# KiCad board ciaa_acc.kicad_pcb (continued)
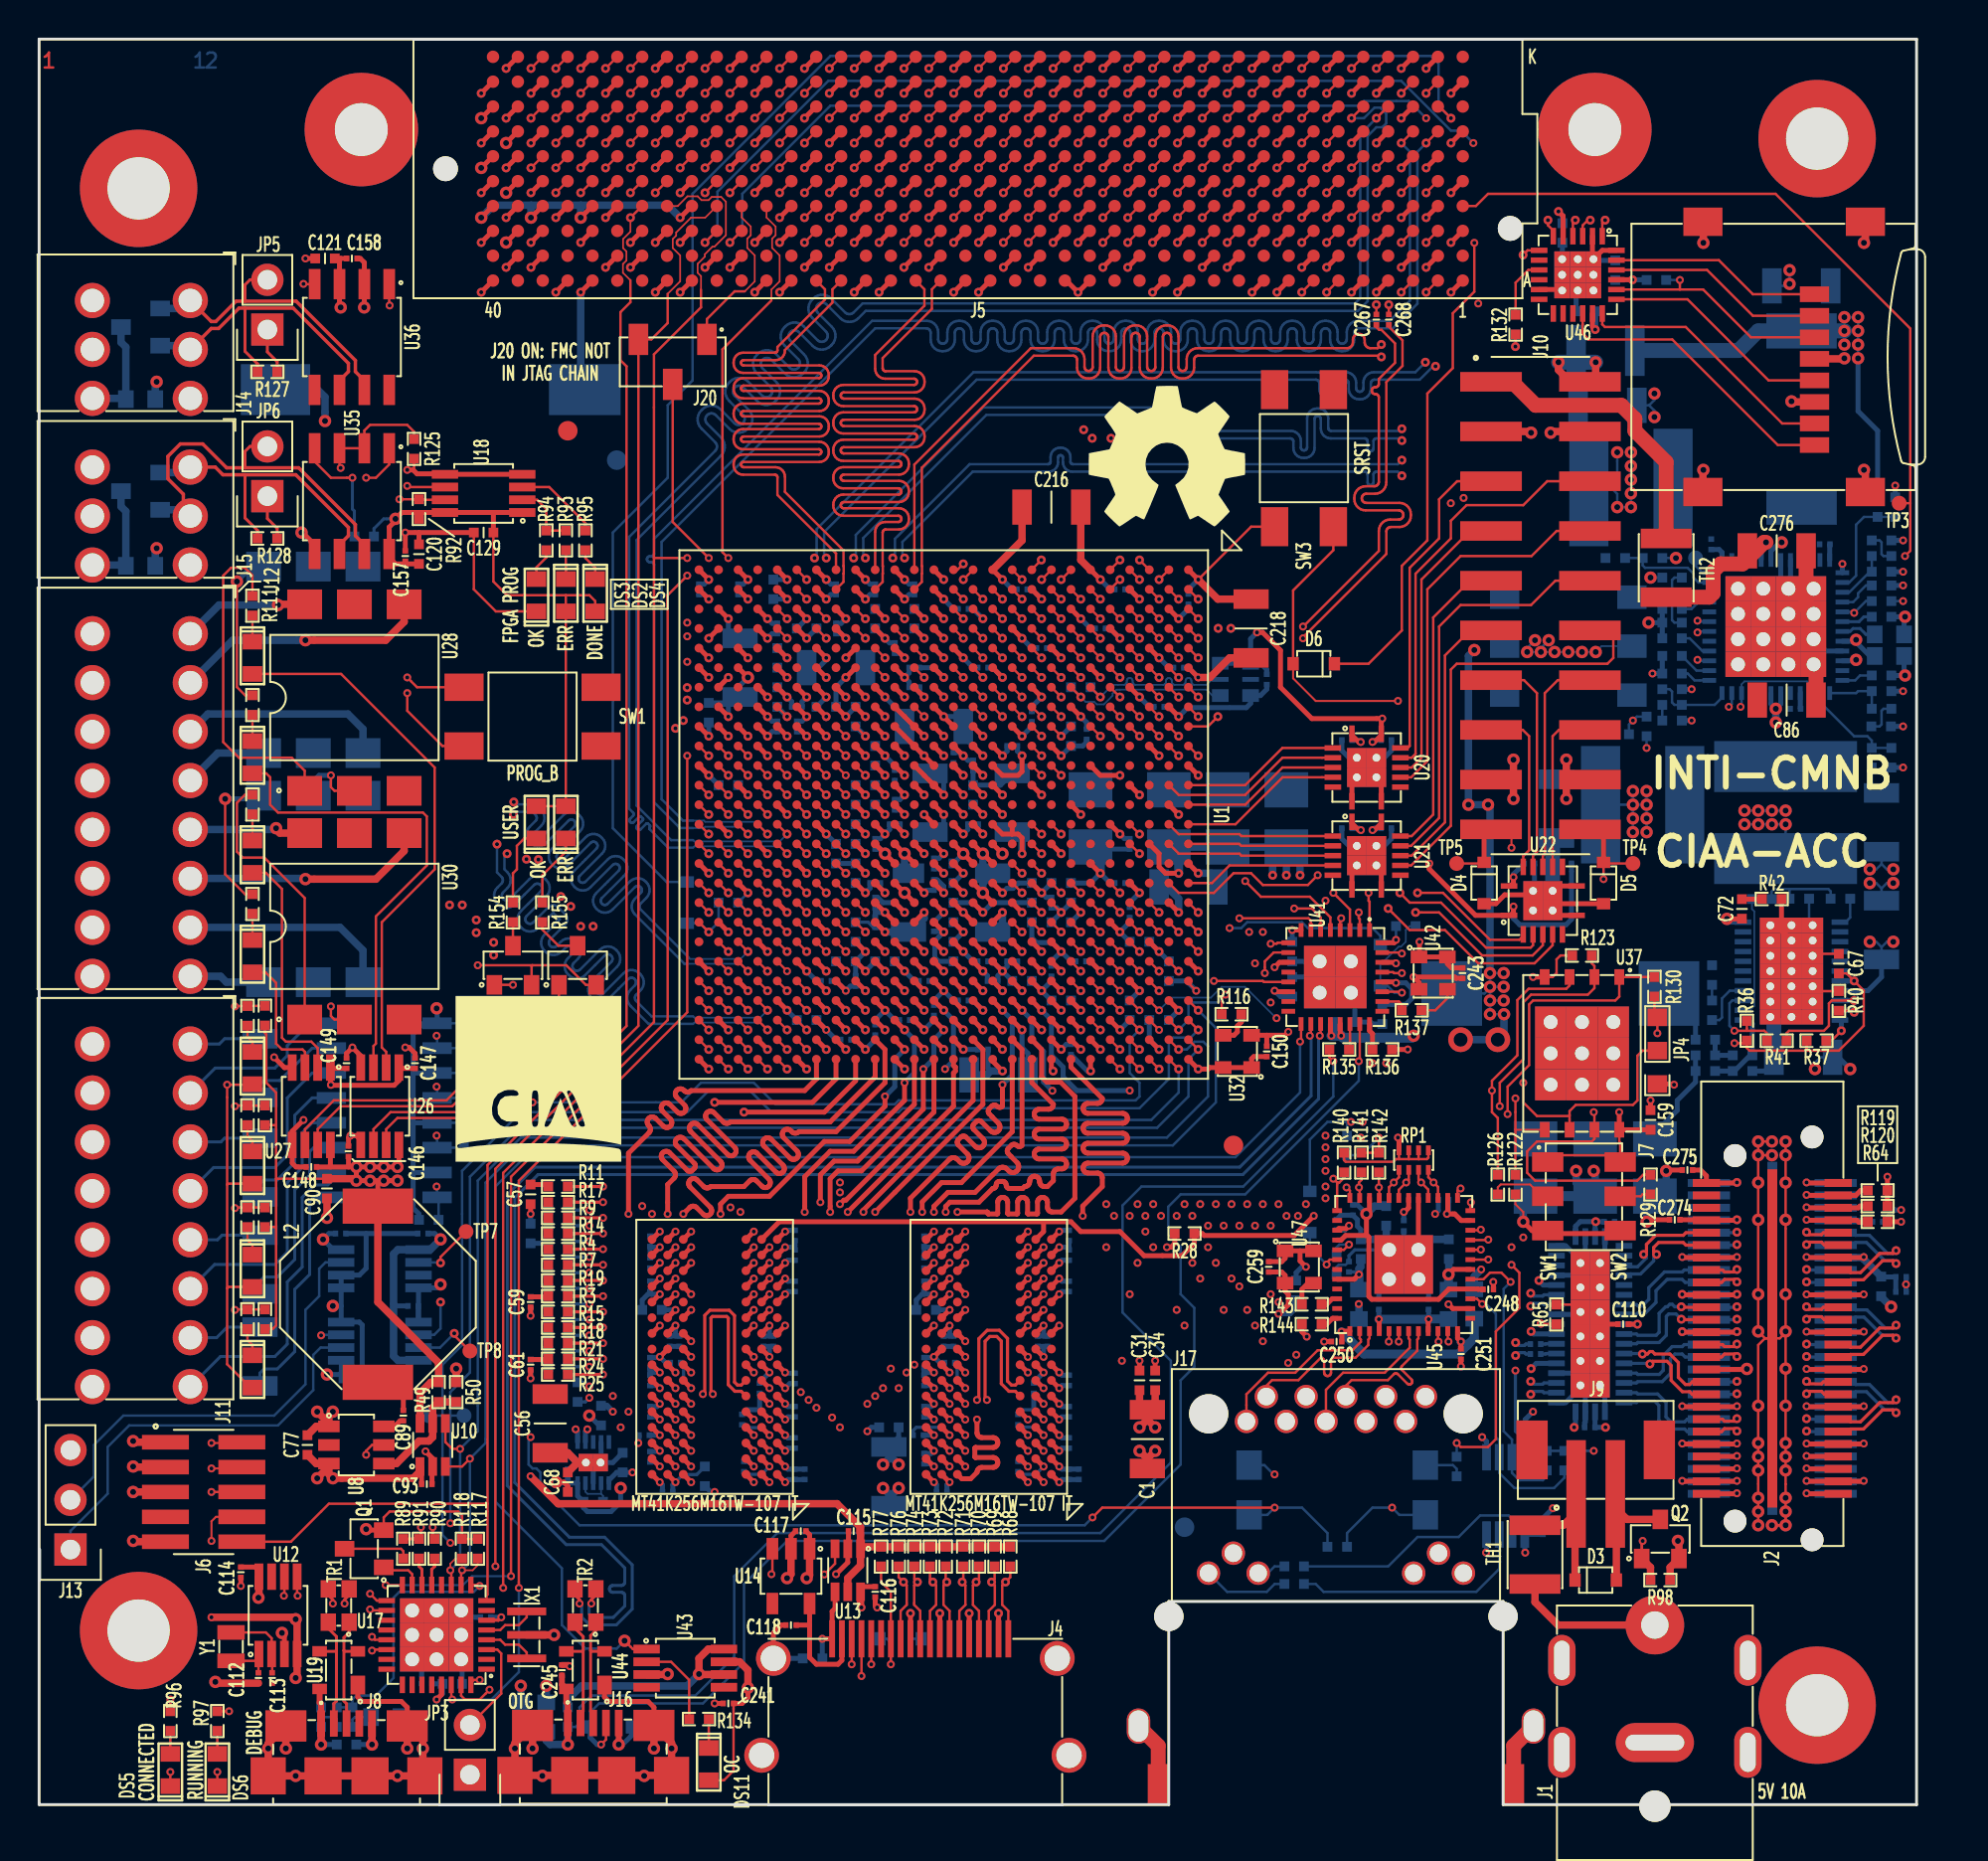
[diagram p0: board, top side]
## Routing (per net, layer and track width the routed paths; a pad name or vN(x,y) marks a point on that pad's centre or on a via; arc(x,y) is an arc through that point) (continued)
+1.5V: length 121
  TOP_L1.Sig w0.254: U3.D2 v1(37.3,18.87) ; U3.C1 v1(38.1,18.07) ; U3.H2 v1(37.3,22.07) ; U3.F1 v1(38.1,20.47) ; U3.B2 v1(37.3,17.27) ; U3.A1 v1(38.1,16.47) ; U3.C9 v1(31.7,18.07) ; U3.D9 v1(31.7,18.87) ; U3.E9 v1(31.7,19.67) ; U3.A8 v1(32.5,16.47) ; U3.H9 v1(31.7,22.07) ; U3.G7 v1(33.3,21.27) ; U3.N9 v1(31.7,26.87) ; U3.R9 v1(31.7,28.47) ; U3.K2 v1(37.3,24.47) ; U3.N1 v1(38.1,26.87) ; U3.R1 v1(38.1,28.47) ; U2.N1 v1(52.1,26.87) ; U2.H2 v1(51.3,22.07) ; U2.D9 v1(45.7,18.87) ; U1.N20 v2(47.2,43.57) ; U2.C9 v1(45.7,18.07) ; U1.T21 v2(44.2,42.57) ; U1.R24 v2(45.2,39.57) ; U2.A8 v1(46.5,16.47) ; U2.F1 v1(52.1,20.47) ; U1.W22 v1(41.2,41.57) ; U2.E9 v1(45.7,19.67) ; U2.R1 v1(52.1,28.47) ; U2.N9 v1(45.7,26.87) ; U2.K8 v1(46.5,24.47) ; U1.L26 48.7,37.97 v2(49.2,37.47) ; U1.M23 v2(48.2,40.57) ; U2.H9 v1(45.7,22.07) ; U2.K2 v1(51.3,24.47) ; U1.J22 v2(51.2,41.57) ; U2.C1 v1(52.1,18.07) ; U1.V25 v2(42.2,38.57) ; U1.H25 v2(52.2,38.57) ; U2.D2 v1(51.3,18.87) ; U3.K8 v1(32.5,24.47) ; U2.G7 v1(47.3,21.27) ; U2.A1 v1(52.1,16.47) ; U2.R9 v1(45.7,28.47) ; U2.B2 v1(51.3,17.27)
  TOP_L1.Sig w0.381: 56.6,19.67 v3(57,19.27) ; 56.6,19.67 v3(56.2,19.27) ; 56.6,19.67 C1.2 ; C34.2 57,20.57 C1.2 ; C1.2 56.2,20.57 C31.2
  L3.Sig w0.381: v3(82.1,51.77) 84.7,54.37 90.4,54.37 92.1,56.07 v1(92.1,63.37)
  L6.GND w0.254: v2(48.2,40.57) U1.M23 47.7,43.07 v2(47.2,43.57)
  L6.GND w0.381: v1(27.4,19.17) 27.4,18.88 27.81,18.47 29.5,18.47 30,17.97 31.31,17.97 31.41,18.07 v1(31.7,18.07)
  BOT_L12.Sig w0.127: v3(81.4,51.07) v3(81.4,51.77) ; v3(81.4,51.07) v3(82.1,51.07) ; v3(81.4,51.07) L6.2 79.75,52.02 79.4,52.37 ; v3(81.4,51.07) v3(81.4,50.37) v3(81.4,49.67) ; v3(82.1,51.07) v3(82.1,50.37) v3(82.1,49.67) ; v3(82.1,51.07) v3(82.1,51.77)
  BOT_L12.Sig w0.147: 33.4,21.27 v1(33.3,21.27)
  BOT_L12.Sig w0.165: C4.2 33.59,16.86 32.89,16.86 v1(32.5,16.47) ; v1(51.3,17.27) 50.9,16.87 50.14,16.87 C30.1 ; C16.2 32.91,22.42 32.91,21.66 v1(33.3,21.27) ; v1(37.3,18.87) 36.91,19.26 36.21,19.26 36.06,19.41 C6.1 ; C33.1 50.12,19.28 50.89,19.28 v1(51.3,18.87) ; C3.1 36.14,16.87 36.9,16.87 v1(37.3,17.27) ; C43.2 46.89,22.45 46.89,21.68 v1(47.3,21.27)
  BOT_L12.Sig w0.254: v2(48.2,40.57) U1.M23 C219.2 ; C26.1 C10.2 31.23,28.47 v1(31.7,28.47) ; C48.1 52.23,20.34 v1(52.1,20.47) ; U1.J22 v2(51.2,41.57) ; v2(51.2,41.57) 51.7,42.07 C230.2 ; v2(51.2,41.57) C194.2 ; C215.2 52.47,38.84 v2(52.2,38.57) ; C42.1 52.23,26.73 v1(52.1,26.87) ; 45.2,22.07 C44.1 ; 45.2,22.07 C40.2 ; 45.2,22.07 v1(45.7,22.07) ; C50.1 45.56,26.73 v1(45.7,26.87) ; C15.1 38.23,26.73 v1(38.1,26.87) ; C18.1 37.3,23.94 ; 37.3,23.94 v1(37.3,24.47) ; 37.3,23.94 C22.2 ; C17.1 31.2,22.07 ; 31.2,22.07 v1(31.7,22.07) ; 31.2,22.07 C13.2 ; C25.2 C27.1 38.23,16.61 v1(38.1,16.47) ; 32.5,23.94 C20.1 ; 32.5,23.94 C2.2 ; 32.5,23.94 v1(32.5,24.47) ; C5.2 32.37,16.34 v1(32.5,16.47) ; C28.2 43.9,18.77 C7.2 ; v1(38.1,28.47) 38.5,28.47 38.6,28.57 ; v1(45.7,18.07) 45.56,17.94 C35.1 ; v1(38.1,20.47) 38.23,20.34 C21.1 ; v1(45.7,28.47) 45.23,28.47 C37.2 C53.1 ; 46.5,23.94 C47.1 ; 46.5,23.94 C29.2 ; 46.5,23.94 v1(46.5,24.47) ; C14.1 31.56,19.81 v1(31.7,19.67) ; v1(52.1,18.07) 52.23,18.2 C51.1 ; C228.2 45.7,40.07 v2(45.2,39.57) U1.R24 C232.2 ; v1(31.7,26.87) 31.56,26.73 C23.1 ; 38.6,28.57 C19.2 ; 38.6,28.57 C12.1 ; U1.T21 v2(44.2,42.57) 44.7,42.07 C222.2 ; v1(27.4,19.17) 27.5,19.07 U4.1 ; C36.1 50.8,21.57 v1(51.3,22.07) ; v1(52.1,16.47) 52.23,16.61 C54.1 C52.2 ; C224.2 U1.V25 v2(42.2,38.57) 42.7,39.07 C226.2 ; v1(38.1,18.07) 38.23,18.2 C24.1 ; C8.1 31.66,18.03 v1(31.7,18.07) ; 48.6,37.47 48.47,37.61 C213.2 ; C217.2 47.7,43.07 v2(47.2,43.57) ; 51.3,23.94 C45.1 ; 51.3,23.94 v1(51.3,24.47) ; 51.3,23.94 C49.2 ; C220.2 41.44,41.81 v1(41.2,41.57) U1.W22 C234.2 ; C46.2 52.6,28.47 ; 52.6,28.47 v1(52.1,28.47) ; 52.6,28.47 C39.1 ; C41.1 45.56,19.81 v1(45.7,19.67) ; v1(46.5,16.47) 46.36,16.34 C32.2 ; U9.13 v1(92.1,63.37) ; C11.1 v1(31.7,18.87) ; v1(37.3,22.07) 36.8,21.57 C9.1 ; v1(45.7,18.87) C38.1
  BOT_L12.Sig w0.381: C208.2 48.4,37.27 48.6,37.47 v2(49.2,37.47) ; v3(43.1,17.37) 43.4,17.67 C28.2 43.4,17.87 v3(43.9,17.37)
  BOT_L12.Sig w0.762: C81.2 79.4,52.37
+1.8V: length 210.3
  TOP_L1.Sig w0.127: 69.95,32.97 69.95,32.97 RP1.3 ; 69.95,32.97 70.46,32.97 ; 69.95,32.97 69.44,32.97 ; 70.46,32.97 70.88,32.97 70.95,33.04 RP1.1 ; 70.46,32.97 70.45,32.97 RP1.2 ; 69.44,32.97 69.45,32.98 RP1.4 ; 69.44,32.97 69.3,32.97 69.17,32.84 66.73,32.84 66.65,32.92 R140.1
  TOP_L1.Sig w0.254: v1(63.1,42.77) 63.35,43.02 U41.11 ; U1.M14 v2(48.2,49.57) ; U1.C20 v2(57.2,43.57) ; U46.5 77.83,81.14 v2(77.6,81.37) ; U1.U19 v2(43.2,44.57) ; U1.F21 v2(54.2,42.57) ; U1.U9 v2(43.2,54.57) ; 67.79,29.11 67.92,28.98 67.92,25.95 68.06,25.81 71.47,25.81 72,26.34 U45.16 73.48,26.34 73.5,26.32 C248.1 ; 67.79,29.11 v3(67.79,30.17) ; 67.79,29.11 67.75,29.07 66.73,29.07 66.5,28.84 66.3,28.84 ; U1.K18 v2(50.2,45.57) ; v1(69.3,44.17) 69.3,44.12 69.2,44.02 U41.32 ; U1.P8 v2(46.2,55.57) U1.N9 ; v3(67.79,30.17) 67.94,30.33 U45.34 ; v3(67.79,30.17) 67.79,30.13 ; v1(70.5,44.07) 70.47,44.04 70.5,44.02 70.5,43.32 U42.1 U42.4 71.92,42.95 72.14,42.73 C243.2 ; U1.V10 v2(42.2,53.57) ; U1.R19 v2(45.2,45.57) ; v1(69.4,34.07) 69.45,34.02 RP1.4 ; U1.G18 v2(53.2,45.57) ; U41.8 v1(64,44.67) ; v1(69.3,41.97) 69.25,42.02 U41.28 ; v1(75.3,45.87) 75.3,45.57 75.15,45.42 U22.1 73.36,45.42 71,47.78 v1(71,48.07) ; U41.30 69.25,43.02 v1(69.3,42.97) ; U1.T10 v2(44.2,53.57) ; U1.T8 U1.R9 v2(45.2,54.57) ; U1.M10 v2(48.2,53.57) ; U1.D17 v2(56.2,46.57) ; U1.L19 v2(49.2,45.57) ; U41.14 63.15,41.52 v1(63.1,41.57) ; U1.V6 v2(41.2,57.57) ; U1.P10 v2(46.2,53.57) ; U1.N19 v2(47.2,44.57)
  L3.Sig w0.381: v3(81.3,69.07) 81.3,72.37 82.1,73.17 82.1,80.47 80.7,81.87 78.1,81.87 v2(77.6,81.37) ; v1(86.9,56.07) 86.9,56.27 85.4,57.77 85.4,63.27 82.4,66.27 v3(81.3,66.27)
  L6.GND w0.254: v1(69.4,34.07) 67.9,32.57 67.9,31.17 67.79,31.06 v3(67.79,30.17)
  L6.GND w0.381: v1(69.3,44.17) 69.4,44.07 v1(70.5,44.07)
  L6.GND w0.762: v3(80.6,66.27) 80.6,57.87 84.3,54.17 84.3,34.77 82.8,33.27 73.39,33.27 71.91,31.8 71.91,31.48 71.4,30.97 69.1,30.97 68.3,30.17 v3(67.79,30.17)
  L8.Sig w0.165: v3(67.79,30.17) 66.7,30.17 66.2,29.67 66.2,25.27 67.2,24.27 72.6,24.27 74.7,22.17 v1(75.4,22.17)
  BOT_L12.Sig w0.089: U9.34 86.95,57.22 87.1,57.37 90.3,57.37 90.45,57.22 U9.27
  BOT_L12.Sig w0.127: L3.2 80.28,67.27 ; 80.28,67.27 80.6,66.95 v3(80.6,66.27) v3(81.3,66.27) v3(81.3,66.97) v3(81.3,67.67) v3(81.3,68.37) v3(81.3,69.07) ; 80.28,67.27 80.6,67.59 v3(80.6,69.07) ; R133.2 v1(69.3,44.17) ; v1(86.9,56.07) 86.95,56.12 U9.34
  BOT_L12.Sig w0.165: C262.1 75.67,18.81 75.4,19.07 v1(75.4,22.17) ; C169.2 42.34,45.07 42.61,44.81 C192.2
  BOT_L12.Sig w0.254: v1(75.3,45.87) 75.3,45.26 75.62,44.94 77.98,44.94 78.27,45.22 C132.1 ; C249.1 67.33,30.64 v3(67.79,30.17) ; v2(48.2,49.57) 47.97,49.81 C196.2 ; v2(48.2,53.57) 47.2,54.57 C203.2 47.2,55.37 47,55.57 v2(46.2,55.57) ; v1(64,44.67) C240.1 ; v2(43.2,44.57) 42.97,44.81 C192.2 ; U1.N19 v2(47.2,44.57) C156.2 ; C236.2 55.7,46.07 v2(56.2,46.57) U1.D17 C200.2 ; v2(77.6,81.37) 77.8,81.17 C256.2 ; U1.C20 v2(57.2,43.57) R131.2 ; C235.2 U1.F21 v2(54.2,42.57) ; C231.2 U1.V6 v2(41.2,57.57) 40.7,57.07 C184.2 ; C239.1 69.8,40.87 70.1,41.17 70.1,41.67 69.8,41.97 v1(69.3,41.97) ; C262.1 75.9,17.77 75.88,17.75 ; R139.2 v2(53.2,45.57) ; 44.8,44.57 44.5,44.57 ; C238.1 63.4,41.27 v1(63.1,41.57)
  BOT_L12.Sig w0.381: C210.1 68.2,30.57 67.8,30.17 v3(67.79,30.17) ; L3.2 78.6,67.82 C82.2 ; v2(45.2,45.57) 45.2,45.27 44.5,44.57 C199.2 v2(43.2,44.57) ; C180.2 48.9,44.57 49.2,44.87 v2(49.2,45.57)
+3.3V: length 243.5
  TOP_L1.Sig w0.127: C129.1 23.2,62.47 23.9,61.77 26.9,61.77 ; 9.6,31.67 9.65,31.72 DS8.1 ; 9.6,31.67 9.6,26.37 ; 9.6,31.67 v1(9.6,36.77) 10.87,36.77 DS7.1 ; Q1.2 17.6,14.67 17.9,14.97 21.4,14.97 21.6,14.77 R118.2 R117.2 ; 9.6,26.37 9.67,26.44 DS9.1 ; 9.6,26.37 9.6,22.5 10.79,21.3 DS10.1 ; DS4.1 28.4,61.47 28.1,61.77 26.9,61.77 ; U37.8 80.7,33.86 80.75,33.82 J7.4 80.45,32.82 80.1,33.17 77.7,33.17 77.35,32.82 J7.1 ; v1(82.65,39.4) 82.65,40.21 82.5,40.36 R130.1 ; 26.9,61.77 DS2.1 DS13.1 DS12.1
  TOP_L1.Sig w0.165: v1(23.6,9.57) 23.45,9.42 U17.6
  TOP_L1.Sig w0.254: 15.4,78.97 C121.2 ; 15.4,78.97 15.34,78.91 U36.3 15.34,76.53 v3(15.4,76.47) ; 15.4,78.97 C158.2 ; J5.C39 24.44,80.38 v3(23.85,79.78) ; U41.21 66.45,39.32 v1(66.5,39.27) ; C259.1 63.47,27.73 63.64,27.91 U47.1 64.4,28.28 ; v3(16.7,14.07) 16.75,14.02 Q1.2 ; 18.7,63.37 18.2,63.37 17.88,63.69 U35.8 17.88,65.25 18.2,65.57 v3(18.2,65.67) 18.52,66 19.4,66 ; 18.7,63.37 C120.2 ; 18.7,63.37 C157.2 ; C114.2 11.03,12.14 11.23,11.95 U12.8 ; v3(26.4,16.47) 26.8,16.47 27,16.27 C68.1 ; U18.1 23.2,66 ; 23.2,66 U18.8 19.4,66 ; 23.2,66 C129.1 ; U1.W8 v2(41.2,55.57) ; U41.20 65.95,39.32 v1(66,39.27) ; v1(80.7,35.37) 80.7,35.36 U37.8 C159.2 ; v3(27.66,81.05) 28.25,81.65 J5.D36 ; C147.1 18.41,37.61 U26.1 18.38,36.98 18.13,36.74 14.92,36.74 v1(14.9,36.76) 14.88,36.79 U27.1 14.91,37.61 C149.1 ; U1.T7 v2(44.2,56.57) ; v1(94.4,32.07) R119.1 R120.1 ; v1(62.2,59.87) 62.49,59.87 63.4,58.96 63.4,57.07 65,55.47 v1(68.6,55.47) 68.55,55.42 68.55,54.62 68.2,54.27 v1(68.1,54.27) ; U1.E24 v2(55.2,39.57) ; U17.29 20.55,5.62 v1(20.3,5.37) ; v1(68.1,49.77) 68.2,49.77 68.55,50.12 U21.14 ; U46.21 81.37,77.88 v2(81.38,77.88) ; 19.4,66 R92.2 ; v3(25.12,81.05) 25.71,81.65 J5.D38 ; U1.B23 v2(58.2,40.57) ; v1(75.3,47.37) 75.3,47.07 75.15,46.92 U22.14 ; v2(32.74,81.05) 33.33,81.65 J5.D32 ; U1.A26 v2(59.2,37.57) 59.7,37.57 59.78,37.64 U32.4 U32.1 61.92,38.09 62.03,38.2 C150.2 ; U46.17 79.33,75.48 v2(79.47,75.34) ; C110.2 v2(81.63,24.54) ; 64.4,28.28 U47.4 ; 64.4,28.28 64.4,27.77 v1(64.7,27.47) ; U1.V8 v2(42.2,55.57) ; U1.U8 v2(43.2,55.57) ; U1.V14 v2(42.2,49.57) ; v3(22.58,81.05) 23.17,81.65 J5.D40 ; U1.V12 v2(42.2,51.57)
  TOP_L1.Sig w0.381: J6.1 4.86,18.51 v3(4.8,18.57) ; v3(92.2,73.87) 92.17,73.84 J18.4 ; v3(11.2,10.57) 11.23,10.59 U12.8
  L5.Sig w0.254: v2(55.2,39.57) 55.7,39.07 55.7,38.39 56.02,38.07 U1.A26 v2(59.2,37.57) ; v2(79.5,29.78) 80.7,30.98 v1(80.7,35.37) 91.1,35.37 v1(94.4,32.07)
  L5.Sig w0.762: v3(70.2,39.27) 73,42.07 73,45.07 v1(75.3,47.37)
  BOT_L12.Sig w0.127: v3(92.9,73.87) v3(92.9,74.57) v3(92.9,75.27) v3(92.9,75.97) v3(92.2,75.97) v3(92.2,75.27) v3(92.2,74.57) 92.2,75.01 91.94,75.27 L5.2
  BOT_L12.Sig w0.152: R121.1 17.1,65.17 17.6,65.67 v3(18.2,65.67)
  BOT_L12.Sig w0.254: R60.1 93.9,70.17 92.9,71.17 v3(92.9,73.87) ; C133.1 75.3,47.53 v1(75.3,47.37) ; C128.2 v1(23.6,9.57) ; U49.6 U49.1 ; U49.1 61.88,59.55 v1(62.2,59.87) ; U49.1 62.38,58.3 62.7,57.97 C266.2 ; C154.1 14.8,29.17 v3(14.5,28.87) 15.02,28.34 U34.8 ; U4.2 27.9,19.07 v1(28,19.17) ; U1.V14 v2(42.2,49.57) ; U11.13 76.82,26.54 76.6,26.75 v2(76.6,26.77) ; C206.2 v2(55.2,39.57) ; v2(80,19.27) C111.2 79.47,20.06 U11.40 ; v1(66.5,39.27) 66.2,39.57 66.2,39.67 ; 66.2,39.67 66.2,39.67 C237.1 ; 66.2,39.67 66.2,39.47 v1(66,39.27) ; 27,16.42 U4.10 27.5,15.77 R31.2 27.8,15.17 28,14.97 29.21,14.97 29.7,15.46 v3(29.7,16.17) ; 27,16.42 C69.1 ; 27,16.42 26.45,16.42 v3(26.4,16.47) ; C152.1 15.44,22.07 ; 15.44,22.07 15.44,22.69 U33.1 ; 15.44,22.07 15.34,21.97 v3(14.7,21.97) ; C261.2 80.51,77.88 v2(81.38,77.88) 82.09,77.88 R149.1 ; C205.2 v2(58.2,40.57) ; v1(20.3,5.37) 20.6,5.67 C119.2 C130.2 ; C209.1 64.2,27.17 64.5,27.47 v1(64.7,27.47) ; v2(79.5,29.78) 79.51,29.77 C109.2 ; v2(79.5,29.78) 79.47,29.75 U11.20 ; v2(79.5,29.78) 78.71,29.78 78.47,29.54 U11.18 ; U11.8 76.33,24.04 v2(76.2,24.17) ; C135.1 68.2,49.87 v1(68.1,49.77) 68.1,49.77 ; U11.42 78.47,19.34 v2(78.4,19.27) ; U1.V12 v2(42.2,51.57) ; C212.2 79.5,75.37 v2(79.47,75.34) ; v1(75.9,12.87) 75.88,12.89 U48.1 75.89,13.81 C263.1 ; U1.V8 v2(41.2,55.57) ; v2(76.2,22.27) 76.47,22.54 U11.5 ; 68.1,54.27 v1(68.1,54.27) 68.2,54.37 C137.1 ; U11.30 v2(81.63,24.54)
  BOT_L12.Sig w0.381: v3(27.66,81.05) 27.66,81.69 ; 27.66,81.69 25.12,81.69 ; 27.66,81.69 32.1,81.69 v2(32.74,81.05) ; 25.12,81.69 23.21,81.69 v3(22.58,81.05) ; 25.12,81.69 v3(25.12,81.05) ; v1(73.65,27.33) 73.3,26.98 FB10.1
  BOT_L12.Sig w0.508: v1(66,39.27) v1(66.5,39.27) 66.6,39.17 70.1,39.17 v3(70.2,39.27)
  BOT_L12.Sig w0.762: TH3.1 86.8,74.27 87.8,75.27 v3(92.2,75.27)
+5V: length 121.2
  TOP_L1.Sig w0.127: v3(89.2,14.27) v3(89.2,14.97) v3(89.2,15.67) v3(89.2,17.07) v3(89.2,17.77) v3(89.2,18.47) v3(89.2,20.37) v3(89.2,22.27) v3(89.2,24.17) ; v3(89.2,14.27) v3(88.5,14.27) v3(89.2,14.27) ; v3(89.2,14.27) 89.2,14.77 89.3,14.87 ; v3(87.8,33.17) v3(87.8,31.77) v3(87.8,29.87) v3(87.8,26.07) v3(87.8,24.17) 88.16,23.81 J2.53 ; v3(87.8,33.17) v3(87.8,33.87) v3(88.5,33.87) ; v3(87.8,33.17) v3(88.5,33.17) ; C241.1 35.47,1.73 34.97,1.25 DS11.1 ; v3(87.8,14.27) v3(87.8,14.97) v3(87.8,15.67) v3(87.8,17.07) v3(87.8,17.77) v3(87.8,18.47) v3(87.8,20.37) 87.8,23.48 88.14,23.81 J2.53 ; v3(89.2,24.17) v3(89.2,26.07) v3(89.2,29.87) v3(89.2,31.77) v3(89.2,33.17) v3(89.2,33.87) ; v3(89.2,24.17) 89.2,24.11 88.9,23.81 J2.53
  TOP_L1.Sig w0.254: C93.1 19.53,17.19 U10.1 ; U14.1 39.35,13.78 C117.2 ; v3(36.2,5.97) 36.2,5.47 35.9,5.17 C241.1 ; C116.1 42.06,11.14 42,11.07 42,10.92 U13.6
  TOP_L1.Sig w0.381: v3(14.2,16.67) 14.8,17.27 U8.3 ; C77.1 14.15,17.42 U8.3 ; v1(42,10.07) 41.95,10.12 U13.6 ; U8.3 14.8,16.87 v3(15,16.67) 19.1,16.67 19.45,17.02 U10.1 ; v3(36.2,5.97) 36.2,6.87 35.78,7.3 U43.7 ; U14.1 39.35,11.72 v3(39.2,11.57) ; TH1.2 76.4,10.34 77.57,9.17 J1.1
  TOP_L1.Sig w0.762: TH2.1 85.3,61.67 85.5,61.87 85.5,62.99 85.88,63.37 87,63.37 88.1,64.47 v3(88.2,64.47)
  L8.Sig w0.254: v3(94.59,25.43) 94,24.84 94,15.67 93.3,14.97 v3(89.2,14.97)
  L8.Sig w0.381: v3(39.2,11.57) 39.2,10.57 38.9,10.27 36.5,10.27 36.2,9.97 v3(36.2,5.97)
  BOT_L12.Sig w0.127: U5.12 92.26,45.07 92.5,45.31 R33.1 ; v3(94.7,44.07) 94.37,44.07 94.1,43.8 ; v1(63.1,16.87) 63.05,16.87 62.58,17.34 U7.4 ; C65.2 94.1,43.8 ; 94.1,43.8 93.83,44.07 v3(93.5,44.07) ; C66.2 90.97,38.17 90.7,37.9 v3(90.7,37.57)
  BOT_L12.Sig w0.254: C66.2 91.9,38.17 v3(92.5,37.57) ; v3(92.8,58.47) 92.75,58.42 U9.22 ; v3(88.2,64.47) 87.95,64.22 U9.5 ; v3(89,64.47) 88.9,64.47 88.45,64.02 U9.6 ; U9.31 88.45,56.22 v3(88.7,55.97) 88.95,56.22 U9.30 ; U5.19 93.4,41.57 94.1,42.27 C65.2
  BOT_L12.Sig w0.381: R66.2 94.08,25.94 v3(94.59,25.43) ; v3(88.7,55.97) v3(88.7,55.27)
/Principal/BANK_501/AVDDH: length 11
  TOP_L1.Sig w0.254: U45.1 66.55,24.19 v1(66.52,24.16) 66.53,24.15 C250.1 ; U45.12 72.44,23.82 v1(72.62,23.65) ; 72.63,23.66 v1(72.62,23.65) ; v1(72.62,23.65) C251.1
  BOT_L12.Sig w0.457: 73,23.52 73.3,23.83 FB10.2 ; 73,23.52 72.92,23.45 72.82,23.45 v1(72.62,23.65) ; 73,23.52 72.49,23.02 67.66,23.02 v1(66.52,24.16)
/Principal/BANK_501/AVDDL: length 5.8
  TOP_L1.Sig w0.254: U45.9 70.94,24.77 v1(70.97,24.79) ; U45.4 68.44,24.77 v1(68.42,24.79)
  BOT_L12.Sig w0.254: v1(68.42,24.79) C257.1 ; v1(70.97,24.79) C258.1
  BOT_L12.Sig w0.457: FB11.2 70.98,24.81 v1(70.97,24.79) v1(68.42,24.79)
/Principal/BANK_501/AVDDL_PLL: length 3.4
  TOP_L1.Sig w0.254: 66.3,26.84 67.17,26.84 v1(67.41,27.08)
  BOT_L12.Sig w0.165: v1(67.41,27.08) 67.28,27.2 C265.1
  BOT_L12.Sig w0.254: 67.39,26.33 FB12.2
  BOT_L12.Sig w0.381: v1(67.41,27.08) 67.41,27.38 67.5,27.47 C214.1
  BOT_L12.Sig w0.457: v1(67.41,27.08) FB12.2
/Principal/PMIC/VDDD: length 16.8
  L8.Sig w0.381: v3(92.8,59.49) 92,58.69 92,57.77 91.3,57.07 86.1,57.07 v1(84.7,58.47)
  L10.Sig w0.127: v1(95.2,61.47) 94.78,61.47 v3(92.8,59.49)
  BOT_L12.Sig w0.127: R57.2 v1(95.2,61.47) ; v1(84.7,58.47) 84.75,58.42 U9.39
  BOT_L12.Sig w0.254: U9.20 92.73,59.42 v3(92.8,59.49) 92.8,59.37 93.5,58.67 C102.2
GND: length 847.5
  TOP_L1.Sig w0.107: R122.2 75.4,30.67 75.8,30.27 v3(75.8,29.77)
  TOP_L1.Sig w0.127: C129.2 22.2,62.07 23.33,60.95 DS3.2 ; SW3.1 61.9,65.27 v2(59.2,62.57) ; 25.2,42.87 25.15,42.82 Q3.2 ; 25.2,42.87 v1(22.4,42.87) ; 25.2,42.87 26.92,42.87 27.92,41.87 Q4.2 ; J4.17 v1(41.5,7.17) ; 9.1,0.95 v1(9.1,1.67) ; 90.25,61.2 U9.49 ; R123.2 77.7,43.37 77.5,43.17 77.5,42.47 77.3,42.27 U37.4 ; v1(18.8,57.57) 19.3,57.07 SW1.1 ; U28.2 15.08,51.78 14.9,51.97 v1(14.9,52.57) ; C67.1 90.68,43.45 U5.23 ; R141.1 R142.1 v1(68.42,34.06) ; R125.2 19.15,68.17 v1(18.8,68.17) ; 16.1,40.1 15.08,40.1 14.9,40.28 v1(14.9,40.77) ; 6.7,0.95 v1(6.7,1.67) ; U11.43 78.34,25.54 R65.2 ; U5.23 90.82,41.55 R40.2 ; 90.75,58.12 U9.49
  TOP_L1.Sig w0.254: U3.D1 v1(38.1,18.87) ; U3.E2 v1(37.3,19.67) ; U3.E1 v1(38.1,19.67) ; U3.G1 v1(38.1,21.27) ; U3.B3 v1(36.5,17.27) ; U3.B1 v1(38.1,17.27) ; U3.A9 v1(31.7,16.47) ; U3.B9 v1(31.7,17.27) ; U3.D8 v1(32.5,18.87) ; U3.E8 v1(32.5,19.67) ; U3.G8 v1(32.5,21.27) ; U3.G9 v1(31.7,21.27) ; U3.F9 v1(31.7,20.47) ; U3.M9 v1(31.7,26.07) ; U3.P9 v1(31.7,27.67) ; U3.T9 v1(31.7,29.27) ; U3.J2 v1(37.3,22.87) ; U3.M1 v1(38.1,26.07) ; U3.P1 v1(38.1,27.67) ; U3.T1 v1(38.1,29.27) ; v2(70.84,78.51) 71.43,79.11 J5.B2 ; v2(46.71,83.59) 47.3,84.19 J5.F21 ; J5.A37 26.98,77.84 v2(26.39,77.24) ; v2(65.76,86.13) 66.35,86.73 J5.H6 ; U1.T19 v2(43.2,45.57) U1.U18 ; U1.U12 v2(43.2,51.57) ; U45.29 U45.49 ; J5.E40 23.17,82.92 v2(22.58,82.32) ; U1.V13 v2(42.2,50.57) ; v2(70.84,88.67) 71.43,89.27 J5.K2 ; v2(44.17,82.32) 44.76,82.92 J5.E23 ; U1.M9 v2(48.2,54.57) ; v2(53.06,79.78) 53.65,80.38 J5.C16 ; J5.F6 66.35,84.19 v2(65.76,83.59) ; v2(23.85,81.05) 24.44,81.65 J5.D39 ; J5.E29 37.14,82.92 v2(36.55,82.32) ; v2(23.85,88.67) 24.44,89.27 J5.K39 ; J5.F33 32.06,84.19 v2(31.47,83.59) ; U1.W7 v2(41.2,56.57) ; J5.F2 71.43,84.19 v2(70.84,83.59) ; v2(58.14,88.67) 58.73,89.27 J5.K12 ; v2(31.47,79.78) 32.06,80.38 J5.C33 ; J5.F15 54.92,84.19 v2(54.33,83.59) ; J5.E20 48.57,82.92 v2(47.98,82.32) ; U1.N10 v2(47.2,53.57) ; v2(31.47,88.67) 32.06,89.27 J5.K33 ; v2(28.93,78.51) 29.52,79.11 J5.B35 ; J5.E4 68.89,82.92 v2(68.3,82.32) ; U1.V17 v2(42.2,46.57) ; U2.G8 v1(46.5,21.27) ; U1.K24 v2(50.2,39.57) ; J5.B6 66.35,79.11 v2(65.76,78.51) ; J5.K3 70.16,89.27 v2(69.57,88.67) ; v1(86.71,18.44) 86.69,18.42 J2.10 83.94,18.42 v1(83.92,18.44) ; v2(45.44,78.51) 46.03,79.11 J5.B22 ; v2(27.66,83.59) 28.25,84.19 J5.F36 ; U1.C15 57.2,48.57 57.2,47.9 57.53,47.57 v2(58.2,47.57) ; v1(63.3,25.07) 63.34,25.07 63.8,25.53 63.8,26.07 63.64,26.23 U47.2 63.64,27.03 63.47,27.2 C259.2 ; U1.T1 v2(44.2,62.57) ; U1.V20 v2(42.2,43.57) ; C159.1 v1(82.3,35.97) ; v2(51.79,82.32) 52.38,82.92 J5.E17 ; v2(68.3,87.4) 68.89,88 J5.J4 ; U2.J8 v1(45.7,22.87) ; J5.K24 43.49,89.27 v2(42.9,88.67) ; U1.C5 v2(57.2,58.57) ; U2.M1 v1(52.1,26.07) ; v2(47.98,77.24) 48.57,77.84 J5.A20 ; J5.D25 42.22,81.65 v2(41.63,81.05) ; v1(83.5,36.77) 83.46,36.81 JP4.3 ; U1.G3 v2(53.2,60.57) ; v2(56.87,77.24) 57.46,77.84 J5.A13 ; U1.AC3 v2(37.2,60.57) ; J5.D2 71.43,81.65 v2(70.84,81.05) ; v2(58.14,77.24) 58.73,77.84 J5.A12 ; J4.2 v2(49,9.77) ; U22.7 77.55,45.42 U22.15 77.64,46.02 D5.1 ; v2(65.76,88.67) 66.35,89.27 J5.K6 ; v2(46.71,79.78) 47.3,80.38 J5.C21 ; U1.AA21 v2(39.2,42.57) ; U1.T26 v2(44.2,37.57) ; J5.E5 67.62,82.92 v2(67.03,82.32) ; U1.T17 v3(44.2,46.57) U1.R18 ; J5.B11 60,79.11 v2(59.41,78.51) ; U1.P22 v2(46.2,41.57) ; v2(30.2,79.78) 30.79,80.38 J5.C34 ; C114.1 v1(10.3,11.17) ; v2(68.3,79.78) 68.89,80.38 J5.C4 ; v2(72.11,84.86) 72.7,85.46 J5.G1 ; v2(47.98,87.4) 48.57,88 J5.J20 ; J5.G26 40.95,85.46 v2(40.36,84.86) ; U1.U16 v2(43.2,47.57) ; U1.P2 v2(46.2,61.57) ; v1(64.74,23.9) 64.5,24.15 R144.1 ; R136.2 v1(69.9,38.57) ; J5.G4 68.89,85.46 v2(68.3,84.86) ; U1.AD9 v2(36.2,54.57) ; v2(25.12,82.32) 25.71,82.92 J5.E38 ; v2(32.74,87.4) 33.33,88 J5.J32 ; v2(42.9,83.59) 43.49,84.19 J5.F24 ; v2(69.57,81.05) 70.16,81.65 J5.D3 ; v2(31.47,77.24) 32.06,77.84 J5.A33 ; U1.P17 v2(46.2,46.57) ; v2(58.14,86.13) 58.73,86.73 J5.H12 ; v2(27.66,79.78) 28.25,80.38 J5.C36 ; J5.K18 51.11,89.27 v2(50.52,88.67) ; U2.E2 v1(51.3,19.67) ; 49.7,49.57 50,49.57 50.2,49.37 v2(50.2,48.57) ; 49.7,49.57 49.2,49.57 U1.L14 ; 49.7,49.57 U1.K14 ; v2(72.11,82.32) 72.7,82.92 J5.E1 ; v2(47.98,84.86) 48.57,85.46 J5.G20 ; U46.2 79.33,78.98 U46.25 79.83,79.38 U46.24 ; J5.H3 70.16,86.73 v2(69.57,86.13) ; U1.V5 v2(41.2,58.57) ; v2(50.52,86.13) 51.11,86.73 J5.H18 ; C93.2 20.06,17.23 U10.2 20.1,17.68 v1(19.73,18.04) ; J5.A16 53.65,77.84 v2(53.06,77.24) 52.46,77.84 J5.A17 ; v2(32.74,84.86) 33.33,85.46 J5.G32 ; U1.L1 v2(49.2,62.57) ; U1.AD22 v2(36.2,41.57) ; J5.C38 25.71,80.38 v2(25.12,79.78) ; v3(13.4,64.97) 13.45,64.97 14.07,64.35 U35.5 ; v2(58.14,83.59) 58.73,84.19 J5.F12 ; U2.P1 v1(52.1,27.67) ; U1.P15 v2(46.2,48.57) ; v2(28.93,82.32) 29.52,82.92 J5.E35 ; C110.1 80.07,24.54 80,24.47 80,24.19 U11.43 ; C250.2 v1(65.63,23.65) ; U27.4 12.52,37.64 v1(12,38.17) ; U1.U23 v2(43.2,40.57) ; v2(41.63,77.24) 42.22,77.84 J5.A25 ; v2(25.12,84.86) 25.71,85.46 J5.G38 ; v2(72.11,79.78) 72.7,80.38 J5.C1 ; U1.AF26 v2(34.2,37.57) ; v2(42.9,86.13) 43.49,86.73 J5.H24 ; v2(54.33,88.67) 54.92,89.27 J5.K15 ; U1.R3 v2(45.2,60.57) ; v2(22.58,79.78) 23.17,80.38 J5.C40 ; v2(39.09,78.51) 39.68,79.11 J5.B27 ; v2(60.68,81.05) 61.27,81.65 J5.D10 ; J5.A40 23.17,77.84 v2(22.58,77.24) ; J5.H36 28.25,86.73 v2(27.66,86.13) ; U1.M17 v3(48.2,46.57) U1.L18 ; U1.K4 v2(50.2,59.57) ; v2(69.57,83.59) 70.16,84.19 J5.F3 ; J5.J5 67.62,88 v2(67.03,87.4) ; v2(59.41,84.86) 60,85.46 J5.G11 ; U1.AE3 v2(35.2,60.57) ; J5.J17 52.38,88 v2(51.79,87.4) ; U1.D2 v2(56.2,61.57) ; U46.11 77.73,77.38 U46.25 ; U1.J7 v2(51.2,56.57) ; U1.AB1 v2(38.2,62.57) ; U1.L16 v3(48.2,48.57) U1.M15 ; v2(55.6,78.51) 56.19,79.11 J5.B14 ; v2(63.22,77.24) 63.81,77.84 J5.A8 ; U1.A21 v2(59.2,42.57) ; U1.U7 v2(43.2,56.57) ; v2(36.55,87.4) 37.14,88 J5.J29 ; v2(50.52,78.51) 51.11,79.11 J5.B18 ; J5.H39 24.44,86.73 v2(23.85,86.13) ; U2.D8 v1(46.5,18.87) ; U1.V1 v2(42.2,62.57) ; U2.J2 v1(51.3,22.87) ; U1.Y1 v2(40.2,62.57) ; U1.AD1 v2(36.2,62.57) ; J5.F27 39.68,84.19 v2(39.09,83.59) ; J5.D6 66.35,81.65 v2(65.76,81.05) ; J5.G29 37.14,85.46 v2(36.55,84.86) ; v2(54.33,78.51) 54.92,79.11 J5.B15 ; J5.B39 24.44,79.11 v2(23.85,78.51) ; U1.F26 v2(53.7,37.47) ; U1.AC7 v2(37.2,56.57) ; v1(90.27,20.35) 90.3,20.32 J2.15 93.16,20.32 v1(93.19,20.35) ; v2(63.22,82.32) 63.81,82.92 J5.E8 ; v2(22.58,87.4) 23.17,88 J5.J40 ; C61.2 v1(25.1,21.77) ; C274.2 82.2,29.87 v3(82.1,29.77) ; U2.B1 v1(52.1,17.27) ; v1(42.8,10.07) 42.7,10.17 C116.2 ; v2(46.71,86.13) 47.3,86.73 J5.H21 ; U14.2 38.4,13.73 C117.1 ; U2.P9 v1(45.7,27.67) ; U1.L10 v2(49.2,53.57) ; C149.2 15.7,38.37 v1(16,38.67) 16.42,38.25 U26.4 ; J5.A29 37.14,77.84 v2(36.55,77.24) ; U1.L21 v2(49.2,42.57) ; C150.1 62.7,39.3 ; 62.7,39.3 63.62,39.3 v1(63.8,39.47) ; 62.7,39.3 U32.2 ; U20.7 67.05,52.22 U20.15 ; J5.E11 60,82.92 v2(59.41,82.32) ; J5.B10 61.27,79.11 v2(60.68,78.51) ; U1.Y14 v2(40.2,49.57) ; U1.G23 v2(53.2,40.57) ; U22.8 77.55,46.92 U22.15 ; U1.R12 v2(45.2,51.57) ; U22.15 76.1,46.47 74.85,46.47 74.4,46.02 D4.1 ; U1.U3 v2(43.2,60.57) ; J5.G8 63.81,85.46 v2(63.22,84.86) ; J5.F18 51.11,84.19 v2(50.52,83.59) ; v2(59.41,87.4) 60,88 J5.J11 ; U1.AF9 v2(34.2,54.57) ; J2.22 87.19,22.23 v3(87.22,22.25) ; U1.P6 v2(46.2,57.57) ; v2(53.06,81.05) 53.65,81.65 J5.D16 ; U21.15 67.05,47.72 U21.7 ; v3(75.8,29.77) 76.25,29.32 J7.3 77.2,29.17 80.6,29.17 J7.6 ; U2.E8 v1(46.5,19.67) ; v2(51.79,79.78) 52.38,80.38 J5.C17 ; C248.2 74.28,26.69 v1(74.27,26.7) ; v2(83.92,24.16) 83.94,24.13 J2.28 86.69,24.13 v2(86.71,24.16) ; U1.E19 v2(55.2,44.57) ; U1.AC25 v2(37.2,38.57) ; C147.2 19.2,38.37 18.9,38.67 v1(18.7,38.67) ; U1.H10 v2(52.2,53.57) ; U1.T15 v3(44.2,48.57) U1.R16 ; J5.C9 62.54,80.38 v2(61.95,79.78) ; J5.D37 26.98,81.65 v2(26.39,81.05) ; v2(23.85,83.59) 24.44,84.19 J5.F39 ; v2(32.74,79.78) 33.33,80.38 J5.C32 ; C115.2 41.33,13.11 U13.2 41.3,12.37 v1(40.7,11.77) ; J5.A28 38.41,77.84 v2(37.82,77.24) ; U1.AA3 v2(39.2,60.57) ; U21.8 68.55,47.72 U21.15 ; J5.A9 62.54,77.84 v2(61.95,77.24) ; J5.H27 39.68,86.73 v2(39.09,86.13) ; v2(46.71,77.24) 47.3,77.84 J5.A21 ; v2(49.25,78.51) 49.84,79.11 J5.B19 ; v2(56.87,79.78) 57.46,80.38 J5.C13 ; U1.AD5 v2(36.2,58.57) ; v2(63.22,79.78) 63.81,80.38 J5.C8 ; U1.AB9 v2(38.2,54.57) ; U1.T13 v2(44.2,50.57) ; J5.G5 67.62,85.46 v2(67.03,84.86) ; v2(58.14,79.78) 58.73,80.38 J5.C12 ; U2.B9 v1(45.7,17.27) ; v2(55.6,87.4) 56.19,88 J5.J14 ; U1.AE19 v2(35.2,44.57) ; C57.1 v1(25.1,30.17) ; v1(57.6,28.47) 57.8,28.47 58,28.67 R28.2 ; U1.G13 v2(53.2,50.57) ; C118.1 37.9,9.17 37.5,8.77 J4.20 ; J5.J26 40.95,88 v2(40.36,87.4) ; v2(36.55,79.78) 37.14,80.38 J5.C29 ; J5.K9 62.54,89.27 v2(61.95,88.67) ; v1(90.27,18.44) 90.3,18.42 J2.9 93.16,18.42 v1(93.19,18.44) ; v2(83.92,26.06) 83.94,26.04 86.69,26.04 v2(86.71,26.06) ; J5.J38 25.71,88 v2(25.12,87.4) ; v2(42.9,79.78) 43.49,80.38 J5.C24 ; U1.Y8 v2(40.2,55.57) ; v2(27.66,88.67) 28.25,89.27 J5.K36 ; v2(61.95,83.59) 62.54,84.19 J5.F9 ; U1.AA9 v2(39.2,54.57) ; C275.2 83.14,32.41 v3(83.1,32.37) ; J5.C20 48.57,80.38 v2(47.98,79.78) ; J5.J1 72.7,88 v2(72.11,87.4) ; U1.U10 v2(43.2,53.57) ; C120.1 19.4,64.97 ; 19.4,64.97 C129.2 ; 19.4,64.97 v1(18.7,64.97) C157.1 ; J5.J23 44.76,88 v2(44.17,87.4) ; U1.AF16 v2(34.2,47.57) ; C251.2 v1(72.62,22.38) ; v2(37.82,79.78) 38.41,80.38 J5.C28 ; C148.2 13.12,32.57 12.92,32.77 U27.5 12.92,34.39 v1(13.5,34.97) ; U26.5 16.42,33.95 16.2,34.17 v1(15.9,34.17) 15.8,34.07 C146.2 ; v3(16.6,76.47) 16.61,76.48 U36.2 16.61,78.76 16.4,78.97 C158.1 ; v2(41.63,79.78) 42.22,80.38 J5.C25 ; U1.Y5 v2(40.2,58.57) ; J5.A36 28.25,77.84 v2(27.66,77.24) ; J5.B34 30.79,79.11 v2(30.2,78.51) ; U2.M9 v1(45.7,26.07) ; v2(64.49,78.51) 65.08,79.11 J5.B7 ; U1.P3 v2(46.2,60.57) ; v1(18.8,68.17) 19.1,68.17 19.3,67.97 20.7,67.97 U18.5 U18.4 ; U1.A11 v2(59.2,52.57) ; U42.2 70.47,42 v1(70.2,42.27) 72.3,42.27 72.36,42.2 C243.1 ; v2(69.57,78.51) 70.16,79.11 J5.B3 ; U1.R7 v2(45.2,56.57) ; U1.AC9 v2(37.2,54.57) ; v2(40.36,78.51) 40.95,79.11 J5.B26 ; U1.H20 v2(52.2,43.57) ; C121.1 v1(13.6,78.97) ; U2.B3 v1(50.5,17.27) ; v2(67.03,79.78) 67.62,80.38 J5.C5 ; J5.H15 54.92,86.73 v2(54.33,86.13) ; U1.AA7 v2(39.2,56.57) ; v2(35.28,86.13) 35.87,86.73 J5.H30 ; U1.N13 v2(47.2,50.57) ; U1.AF5 v2(34.2,58.57) ; v2(34.01,78.51) 34.6,79.11 J5.B31 ; U1.P4 v2(46.2,59.57) ; U1.B8 v2(58.2,55.57) ; U1.N12 v2(47.2,51.57) ; U1.M19 v2(47.2,45.57) U1.N18 ; v2(25.12,78.51) 25.71,79.11 J5.B38 ; J5.K21 47.3,89.27 v2(46.71,88.67) ; U2.T1 v1(52.1,29.27) ; C241.2 v1(34.5,5.17) ; U1.F6 v2(54.2,57.57) ; J5.B30 35.87,79.11 v2(35.28,78.51) ; v2(72.11,77.24) 72.7,77.84 J5.A1 ; J5.F30 35.87,84.19 v2(35.28,83.59) ; U1.Y24 v1(40.2,39.57) ; U20.8 68.55,52.22 U20.15 ; J5.K30 35.87,89.27 v2(35.28,88.67) ; v2(63.22,87.4) 63.81,88 J5.J8 ; C31.1 v1(56.2,22.67) ; U1.M11 v2(48.2,52.57) ; U1.Y9 v2(40.2,54.57) ; v2(45.44,81.05) 46.03,81.65 J5.D22 ; U1.V7 v2(42.2,56.57) ; U1.AE9 v2(35.2,54.57) ; J5.J35 29.52,88 v2(28.93,87.4) ; U1.B18 v2(58.2,45.57) ; v2(61.95,86.13) 62.54,86.73 J5.H9 ; v1(90.27,24.16) 90.3,24.13 J2.27 93.16,24.13 v1(93.19,24.16) ; v2(64.49,81.05) 65.08,81.65 J5.D7 ; U1.U14 v2(43.2,49.57) ; U1.P19 v2(46.2,44.57) ; v2(37.82,81.05) 38.41,81.65 J5.D28 ; C59.1 v1(25.1,24.97) ; U1.W3 v2(41.2,60.57) ; U1.P9 v2(46.2,54.57) ; v2(28.93,84.86) 29.52,85.46 J5.G35 ; J5.E14 56.19,82.92 v2(55.6,82.32) ; v2(67.03,77.24) 67.62,77.84 J5.A5 ; J5.G14 56.19,85.46 v2(55.6,84.86) ; v1(90.27,22.25) 90.3,22.23 J2.21 93.16,22.23 v1(93.19,22.25) ; C34.1 v1(57,22.67) ; U1.F16 v2(54.2,47.57) ; U1.D22 v2(56.2,41.57) ; J5.H33 32.06,86.73 v2(31.47,86.13) ; J5.A32 33.33,77.84 v2(32.74,77.24) ; U1.N14 v2(47.2,49.57) ; v2(42.9,77.24) 43.49,77.84 J5.A24 ; J5.B23 44.76,79.11 v2(44.17,78.51) ; v1(86.71,20.35) 86.69,20.32 J2.16 83.94,20.32 v1(83.92,20.35) ; U1.T5 v2(44.2,58.57) ; U5.23 88.99,44.64 R42.2 ; U2.A9 v1(45.7,16.47) ; v2(40.36,82.32) 40.95,82.92 J5.E26 ; J5.D35 29.52,81.65 v2(28.93,81.05) ; J5.G40 23.17,85.46 v2(22.58,84.86) ; J4.5 v2(47.5,9.77) ; U2.G1 v1(52.1,21.27) ; U2.G9 v1(45.7,21.27) ; U1.P7 v2(46.2,56.57) ; U37.4 v1(76.3,42.27) ; U1.D12 v2(56.2,51.57) ; U2.T9 v1(45.7,29.27) ; U1.P14 v2(45.2,50.57) ; U1.A1 v2(59.2,62.57) ; U1.C25 v2(57.2,38.57) ; U2.E1 v1(52.1,19.67) ; U1.AC15 v2(37.2,48.57) ; v2(49.25,81.05) 49.84,81.65 J5.D19 ; U1.T9 U1.R10 v2(45.2,53.57) U1.P11 ; U2.F9 v1(45.7,20.47) ; J5.G23 44.76,85.46 v2(44.17,84.86) ; U1.T11 v2(44.2,52.57) ; U1.V15 v2(42.2,48.57) ; v2(39.09,88.67) 39.68,89.27 J5.K27 ; v1(93.19,26.06) 93.16,26.04 90.3,26.04 v1(90.27,26.06) ; U1.M13 v2(48.2,50.57) ; U1.N16 v2(47.2,47.57) ; U3.J8 v1(31.7,22.87) ; U1.AE7 v2(35.2,57.57) ; J4.11 v2(44.5,9.77) ; U1.E9 v2(55.2,54.57) ; J5.E32 33.33,82.92 v2(32.74,82.32) ; J5.A4 68.89,77.84 v2(68.3,77.24) ; U1.AF1 v2(34.2,62.57) ; v2(51.79,84.86) 52.38,85.46 J5.G17 ; U1.AA11 v2(39.2,52.57) ; U1.AD12 v2(36.2,51.57) ; U1.N5 v2(47.2,58.57) ; U1.N25 v2(47.2,38.57) ; U1.P13 v2(46.2,50.57) ; v2(56.87,81.05) 57.46,81.65 J5.D13 ; U2.D1 v1(52.1,18.87) ; U1.L12 v2(49.2,51.57) ; U1.AB5 v2(38.2,58.57) ; U1.P1 v2(46.2,62.57) ; U1.P5 v2(46.2,58.57) ; U1.J17 v2(51.2,46.57) ; U1.AB18 v2(38.2,45.57) ; J4.8 v2(46,9.77) ; U1.Y7 v2(40.2,56.57)